# Altium PCB SVEC.pcbdoc (part 15 of 18) (continued)
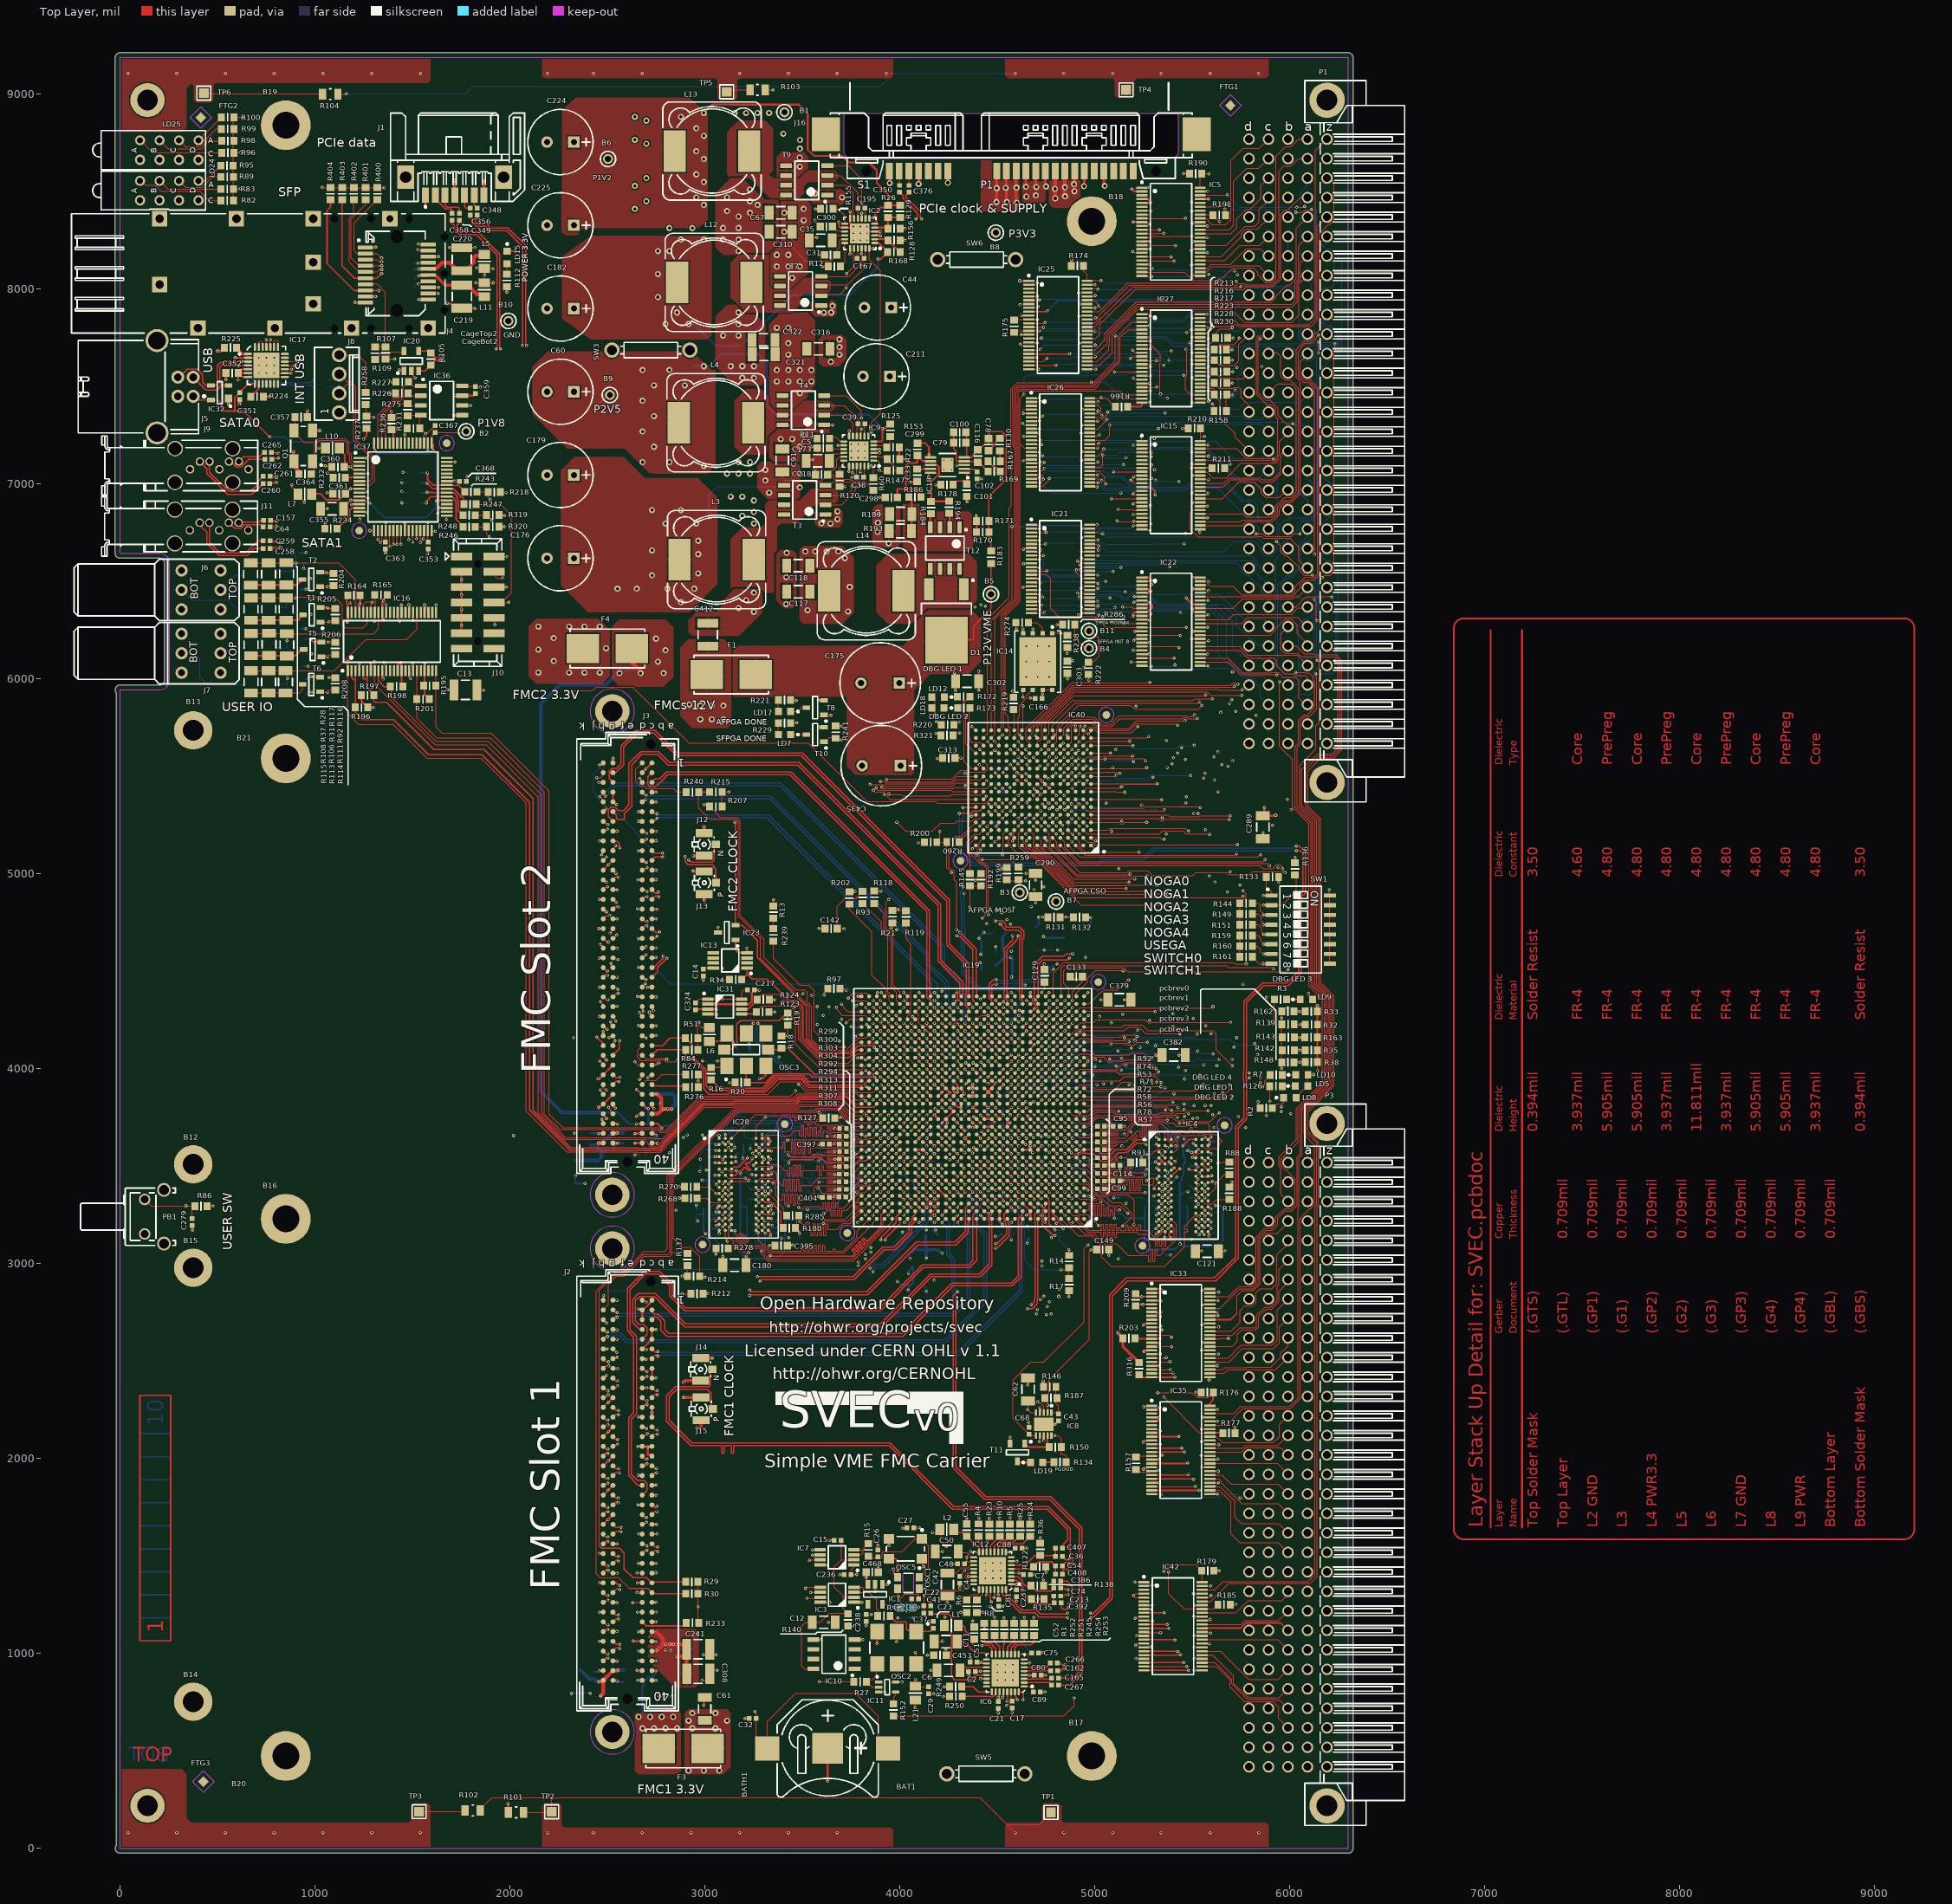
[diagram p0: Top Layer view]
## Nets (pads, with @x,y where several pads share a name; then routed paths per layer and width w, separated by ;. In a path a pad name is that pad's centre, name@x,y a point inside that pad or via, vN(x,y) a via of type N, cw(c..) or ccw(c..) an arc to the next point about the centre after c; other vN are vias at no path point) (continued)
  Bottom Layer w5: v1(5691.55,5873.51) 5691.81,5873.51 v1@5692.18,5873.13
VME_D17: IC19.AD6 IC35.12 IC40.M10 | length 7382
  Top Layer w5: v1(4605.81,5597.99) IC40.M10@4625.5,5578.3 ; IC19.AD6@4747.57,4135.15 v1(4767.25,4154.84)
  Top Layer w6: IC35.12@5290.95,2053.35 5445.4,2053.35 v1(5445.55,2053.51)
  L3 w4: v1(4605.81,5597.99) 4588.18,5615.62 4588.18,5693.25 4590.44,5695.51 4590.44,5720.53 4777.79,5907.88 5549.06,5907.88 5554.81,5902.13 5584.44,5902.13 5595.19,5912.88 5674.18,5912.88 v1@5696.55,5890.51
  L6 w4: v1(4767.25,4154.84) 4784.71,4137.38 5152.94,4137.38 5168.19,4122.13 5203.92,4122.13 5240.3,4158.51 v1(5726.55,4158.51)
  L8 w4: v1(5445.55,2053.51) 5556.55,2053.51 5615.18,1994.88 5615.18,1992.14 5625.84,1981.48 6105.89,1981.48 6127.58,2003.17 6127.58,3561.37 5858.56,3830.39 5858.56,3838.7 5845.75,3851.51 5826.69,3851.51 5727.93,3950.27 5727.93,4157.13 v1(5726.55,4158.51) 5721.18,4163.88 5721.18,4198.85 5742.55,4220.22 5742.55,4920.82 5729.18,4934.19 5729.18,4947.87 5762.93,4981.62 5762.93,5154.02 5727.93,5189.02 5727.93,5394.3 5722.55,5399.67 5722.55,5581.39 5711.43,5592.51 5704.55,5592.51 5702.18,5594.88 5702.18,5861.39 5707.55,5866.76 5707.55,5887.51 v1(5702.55,5892.51)
VME_D18: IC19.AH5 IC35.13 IC40.R9 | length 7308.8
  Top Layer w5: IC40.R9@4664.87,5696.41 4664.87,5706.82 4685.55,5727.51 4685.55,5750.93 4890.75,5956.13 5709.18,5956.13 v1(5714.55,5961.51) ; IC19.AH5@4786.94,4292.63 v1(4806.62,4312.32) 4806.55,4312.39 v1@4806.55,4313.51
  Top Layer w6: IC35.13@5290.95,2033.66 5291.67,2034.38 v1@5459.68,2034.38
  L6 w4: v1@4806.55,4313.51 4806.55,4312.39 v1(4806.62,4312.32) 4806.63,4329.95 4822,4345.32 4822,4398.95 4856.55,4433.51 v1(5760.55,4433.51)
  L8 w4: v1(5460.55,2033.51) 5514.18,1979.88 5564.06,1979.88 5572.47,1971.48 6110.03,1971.48 6137.58,1999.03 6137.58,3562.69 5866.56,3833.71 5866.56,3842.01 5849.06,3859.51 5832.83,3859.51 5760.55,3931.79 v1(5760.55,4433.51) 5760.55,4568.51 5782.93,4590.88 5782.93,5162.3 5747.93,5197.3 5747.93,5402.58 5742.55,5407.96 5742.55,5816.62 5747.93,5822 5747.93,5843.02 5727.93,5863.02 5727.93,5904.25 5727.18,5905 5727.18,5948.88 v1(5714.55,5961.51)
VME_D19: IC19.AK5 IC35.16 IC40.T9 | length 7338.1
  Top Layer w5: IC40.T9@4664.87,5735.78 4664.87,5744.39 4886.61,5966.13 5695.55,5966.13 5706.3,5976.88 v1@5729.18,5976.88 ; IC19.AK5@4786.94,4371.37 4786.94,4489.89 4840.55,4543.51 5711.91,4543.51 5719.09,4536.32 5740.74,4536.32 ; 5740.92,4536.51 v1(5776.55,4536.51)
  Top Layer w8: IC35.16@5290.95,1974.61 v1@5471.66,1974.61
  L8 w4: v1(5475.55,1978.51) 5501.41,1978.51 5510.04,1969.88 5559.92,1969.88 5568.32,1961.48 6114.18,1961.48 6147.58,1994.88 6147.58,3564 5874.56,3837.02 5874.56,3845.33 5775.18,3944.71 5775.18,3983.87 ; v1@5737.18,5968.88 5737.18,5909.14 5747.93,5898.39 5747.93,5857.16 5757.93,5847.16 5757.93,5817.85 5752.93,5812.85 5752.93,5411.72 5757.93,5406.72 5757.93,5201.44 5792.93,5166.44 5792.93,4586.74 5776.18,4569.99 5776.18,4536.88 v1(5776.55,4536.51) 5775.93,4535.88 5775.93,3984.62
  other v1: 5732.55,5973.51
VME_D20: IC19.W10 IC35.19 IC40.M9 | length 7020.7
  Top Layer w5: IC19.W10@4590.09,3938.3 v1(4609.77,3957.99) ; v1(4645.18,5597.99) IC40.M9@4664.87,5578.3
  Top Layer w8: IC35.19@5290.95,1915.55 v1@5477.6,1915.55
  L3 w4: 4629.81,5630.99 4629.81,5643.73 4634.43,5648.34 4634.43,5721.57 4632.55,5723.44 4632.55,5733.51 4773.93,5874.88 5516.06,5874.88 5543.19,5847.76 5555.92,5847.76 5566.04,5857.88 5685.69,5857.88 ; 4631.19,5629.61 4631.19,5611.99 v1(4645.18,5597.99) ; 5685.81,5857.76 5698.55,5857.76 ; 5698.67,5857.88 5748.82,5857.88 5775.22,5831.48 5808.58,5831.48 v1(5827.55,5812.51)
  L6 w4: v1(4609.77,3957.99) 4625.15,3973.36 4817.41,3973.36 4825.68,3981.63 4904.69,3981.63 4908.69,3985.63 4969.43,3985.63 4974.68,3980.38 5084.74,3980.38 5104.99,3960.13 5318.72,3960.13 ; 5319.47,3960.88 5440.87,3960.88 5450.87,3970.88 5470.24,3970.88 5483.24,3983.88 5546.92,3983.88 5555.67,3975.13 v1@5788.18,3975.13
  L5 w5: v1(5480.55,1918.51) 5480.55,1923.23 5574.3,2016.98 5574.3,2090.53 5765.24,2281.48 5813.53,2281.48 5835.58,2303.53 5835.58,3686.8 5776.18,3746.2 5776.18,3967.51 v1@5786.18,3977.51
  L8 w4: v1@5786.18,3981.88 5786.18,4266.99 5796.55,4277.36 5796.55,4546.67 5802.93,4553.05 5802.93,5170.58 5773.31,5200.21 5773.31,5598.89 5827.58,5653.17 5827.58,5783.87 ; 5827.55,5783.9 v1(5827.55,5812.51)
  other v1: 5790.55,3977.51
VME_D21: IC19.W9 IC35.20 IC40.N8 | length 6735
  Top Layer w5: IC19.W9@4629.46,3938.3 v1(4649.14,3957.99) ; IC40.N8@4704.24,5617.67 v1(4723.93,5637.36)
  Top Layer w8: IC35.20@5290.95,1895.87 5497.92,1895.87
  L3 w4: v1(4723.93,5637.36) 4723.93,5721.88 4842.55,5840.51 5536.3,5840.51 5539.04,5837.76 5619.06,5837.76 5624.68,5843.38 5711.68,5843.38 v1(5722.55,5832.51)
  L6 w4: v1(4649.14,3957.99) 4666.77,3957.99 4682.15,3942.61 4931.1,3942.61 4939.62,3951.13 5322.45,3951.13 ; 5323.2,3951.88 5444.6,3951.88 5454.6,3961.88 5466.51,3961.88 5475.53,3952.85 5789.9,3952.85 v1(5790.55,3953.51)
  L5 w5: v1(5505.55,1893.51) 5505.55,1935.51 5585.18,2015.13 5585.18,2087.27 5769.38,2271.48 5817.67,2271.48 5844.58,2298.39 5844.58,3691.94 5787.55,3748.97 v1@5787.55,3949.51 ; v1(5722.55,5832.51) 5723.53,5833.48 5723.53,5651.8 5786.18,5589.15 5786.18,4883.61 5791.55,4878.23 5791.55,4034.76 5808.55,4017.76 5808.55,3971.51 v1(5790.55,3953.51)
  L8 w4: v1@5790.55,3952.51 v1(5790.55,3953.51)
VME_D22: IC19.AB7 IC35.22 IC40.P8 | length 6935.3
  Top Layer w5: IC40.P8@4704.24,5657.04 4704.24,5671.89 4726.27,5693.91 4726.27,5705.08 4730.55,5709.36 4730.55,5717.65 4726.27,5721.93 4726.27,5763.36 4895.79,5932.88 5575.92,5932.88 5593.3,5915.51 5746.55,5915.51 5749.55,5912.51 v1(5752.55,5915.51) ; IC19.AB7@4708.2,4056.41 4709.46,4056.41 v1@4728.55,4075.51 ; IC35.22@5290.95,1856.5 v1@5513.54,1856.5
  L5 w5: v1(5515.55,1858.51) 5595.18,1938.13 5595.18,2083.13 5772.92,2260.87 5821.2,2260.87 5853.58,2293.25 5853.58,3697.08 5804.31,3746.35 5804.31,3936.72 5819.18,3951.59 5819.18,3996.64 5819.69,3997.15 5819.69,4065.63 5819.18,4066.14 v1@5819.18,4127.51 ; v1(5752.55,5915.51) 5743.53,5906.48 5743.53,5649.03 5812.55,5580 5812.55,4808.51 5818.69,4802.37 5818.69,4355.48 5819.18,4354.99 5819.18,4127.88 v1(5819.55,4127.51)
  Bottom Layer w5: v1@4728.55,4075.51 4744.92,4075.51 4760.89,4091.47 4766.52,4091.47 4791.18,4116.13 4791.18,4123.87 4800.19,4132.88 4906.26,4132.88 4925.89,4152.51 5085.61,4152.51 5097.27,4140.84 5156.15,4140.84 5168.19,4152.88 5180.92,4152.88 5190.18,4143.62 5190.18,4139.14 5199.19,4130.13 5211.92,4130.13 5232.67,4150.88 5693.78,4150.88 5722.15,4122.51 5814.55,4122.51 v1(5819.55,4127.51)
  other v1: 4727.88,4076.1
VME_D23: IC19.AB6 IC35.23 IC40.T8 | length 6972.4
  Top Layer w5: IC40.T8@4704.24,5735.78 4704.24,5755.48 4894.27,5945.51 5630.55,5945.51 5633.93,5942.13 v1@5753.18,5942.13 ; IC19.AB6@4747.57,4056.41 v1(4767.25,4076.1)
  Top Layer w8: IC35.23@5290.95,1836.81 v1@5533.86,1836.81
  L3 w4: v1(4767.25,4076.1) 4782.54,4091.38 4989.71,4091.38 4999.96,4101.63 5091.61,4101.63 5096.49,4106.51 5152.08,4106.51 5174.96,4083.63 5518.71,4083.63 v1(5526.55,4091.47)
  L6 w4: v1(5526.55,4091.47) 5815.59,4091.47 v1(5834.55,4072.51)
  L5 w5: v1(5535.55,1838.51) 5604.18,1907.13 5604.18,2019.39 5750.32,2165.53 5892.58,2165.53 5927.58,2200.53 5927.58,3637.22 5813.31,3751.49 5813.31,3932.99 5834.93,3954.61 5834.93,4525.25 5836.93,4527.25 ; v1(5754.55,5943.51) 5767.93,5930.13 5767.93,5898.24 5753.53,5883.84 5753.53,5653.17 5822.55,5584.14 5822.55,4826.51 ; 5823.55,4826.51 5836.18,4813.88 5836.18,4528
VME_D24: IC19.W7 IC40.A4 IC42.9 | length 6615.6
  Top Layer w5: IC19.W7@4708.2,3938.3 v1(4727.88,3957.99) ; IC40.A4@4861.72,5145.23 4921.82,5085.13 5835.4,5085.13 v1@5849.66,5099.4
  Top Layer w6: IC42.9@5250.95,1208.4 v1@5355.45,1208.4
  L3 w4: v1(4727.88,3957.99) 4747.4,3977.51 4854.53,3977.51 4858.68,3973.36 4889.61,3973.36 4892.85,3970.12 4906.61,3970.12 4909.86,3973.36 4939.7,3973.36 4960.93,3952.13 4998.4,3952.13 5005.14,3958.88 5094.43,3958.88 5099.8,3953.51 5239.77,3953.51 5249.14,3962.88 5445.18,3962.88 v1(5460.55,3947.51)
  L6 w4: v1(5460.55,3947.51) 5464.21,3943.85 5774.15,3943.85 5779.87,3938.13 5833.18,3938.13 v1(5849.55,3954.51)
  L5 w5: v1(5355.55,1208.51) 5355.55,1338.51 5645.55,1628.51 5645.55,1778.51 5613.18,1810.88 5613.18,2011.16 5757.56,2155.53 5896.72,2155.53 5937.58,2196.39 5937.58,3641.36 5822.31,3756.63 5822.31,3929.27 5852.18,3959.13 5852.18,4526.14 5846.18,4532.14 v1@5846.18,5092.13
  other v1: 5851.55,5097.51
VME_D25: IC19.W6 IC40.B5 IC42.12 | length 6897.3
  Top Layer w5: IC19.W6@4747.57,3938.3 v1(4767.25,3957.99) ; IC40.B5@4822.35,5184.6 4844.38,5162.57 4844.38,5138.05 4920.54,5061.88 5861.93,5061.88 v1(5872.55,5072.51)
  Top Layer w6: IC42.12@5250.95,1149.35 v1@5369.71,1149.35
  L3 w4: v1(4767.25,3957.99) 4784.88,3957.99 4804.37,3938.51 4890.71,3938.51 4901.08,3928.13 4999.85,3928.13 5010.6,3938.88 5091.8,3938.88 5102.55,3928.13 5167.44,3928.13 ; 5169.19,3929.88 5181.92,3929.88 ; 5183.67,3928.13 5239.85,3928.13 5249.6,3937.88 5264.85,3937.88 5280.6,3922.13 5306.18,3922.13 v1(5314.55,3930.51)
  L6 w4: v1(5314.55,3930.51) 5326.93,3942.88 5346.51,3942.88 5355.76,3933.63 5466.3,3933.63 5467.52,3934.85 5771.83,3934.85 5777.55,3929.13 5848.18,3929.13 v1(5848.55,3929.51)
  L5 w5: 5370.55,1201.76 v1(5370.55,1148.51) 5370.93,1148.88 5370.93,1338.88 5655.55,1623.51 5655.55,1968.51 5762.58,2075.53 6008.58,2075.53 6034.69,2101.64 6034.69,3578.64 5844.18,3769.15 5844.18,3816.8 5851.06,3823.69 5851.06,3835.59 5844.18,3842.48 5844.18,3925.13 v1(5848.55,3929.51) 5848.55,3934.51 5854.18,3940.13 5855.51,3940.13 5869.55,3954.18 5869.55,4355.76 5865.18,4360.14 5865.18,4372.87 5880.93,4388.62 5880.93,4557.51 5882.93,4559.51 5882.93,4902.13 5872.55,4912.51 v1(5872.55,5072.51)
VME_D26: IC19.AJ4 IC40.A5 IC42.13 | length 6732.5
  Top Layer w5: IC40.A5@4822.35,5145.23 4915.7,5051.88 5885.18,5051.88 v1(5894.55,5042.51) ; IC19.AJ4@4826.31,4332 v1(4846,4351.69) 4846.18,4351.51 v1@4847.55,4351.51
  Top Layer w6: IC42.13@5250.95,1129.66 5379.4,1129.66 v1(5380.55,1128.51)
  L6 w4: v1@4847.55,4351.51 4863.43,4367.38 5879.42,4367.38 v1@5880.42,4366.37
  L5 w5: v1(5380.55,1128.51) 5385.93,1133.88 5385.93,1154.87 5380.55,1160.25 5380.55,1197.62 5380.93,1198 5380.93,1219.02 5380.55,1219.39 5380.55,1334.36 5665.55,1619.36 5665.55,1964.36 5766.72,2065.53 6012.58,2065.53 6047.58,2100.53 6047.58,3618.38 5880.55,3785.41 5880.55,3927.76 5884.93,3932.14 5884.93,4224.8 5884.18,4225.55 5884.18,4237.46 5884.93,4238.21 5884.93,4362.13 v1(5880.55,4366.51) 5892.93,4378.88 5892.93,5040.88 v1(5894.55,5042.51)
VME_D27: IC19.AK4 IC40.D5 IC42.16 | length 7282.1
  Top Layer w5: IC40.D5@4822.35,5263.34 4822.35,5258.71 v1(4833.55,5247.51) ; IC19.AK4@4826.31,4371.37 4826.31,4513.75 4840.76,4528.2 5676.55,4528.2 5684.58,4520.18 5907.88,4520.18 v1(5914.55,4513.51)
  Top Layer w6: IC42.16@5250.95,1070.61 v1@5408.45,1070.61
  L3 w4: v1(4833.55,5247.51) 4902.89,5247.51 4914.41,5259.03 5128.29,5259.03 5132.19,5255.13 5252.19,5255.13 5259.19,5248.13 5874.55,5248.13 5874.93,5248.51 v1(5911.55,5248.51)
  L5 w5: v1(5410.55,1068.51) 5410.55,1333.51 5685.55,1608.51 5685.55,1908.51 5755.55,1978.51 6105.55,1978.51 6130.55,2003.51 6130.55,3548.13 5960.55,3718.13 5960.55,3733.78 5915.93,3778.41 5915.93,5244.13 v1(5911.55,5248.51)
VME_D28: IC19.T9 IC40.C5 IC42.19 | length 7406.5
  Top Layer w5: IC19.T9@4629.46,3820.19 4634.24,3820.19 4642.55,3828.51 v1@4642.55,3833.51 ; IC40.C5@4822.35,5223.97 v1@4837.55,5208.77
  Top Layer w6: IC42.19@5250.95,1011.55 v1@5422.51,1011.55
  L3 w4: v1(4835.55,5206.51) 4835.55,5137.51 4931.18,5041.88 5873.44,5041.88 5888.19,5027.13 5934.18,5027.13 ; 4895.88,3796.51 4907.25,3807.88 4937.55,3807.88 4947.18,3817.51 5136.58,3817.51 5147.21,3806.88 5365.92,3806.88 5370.92,3801.88 5399.92,3801.88 5408.93,3792.87 ; 5408.93,3791.51 5415.55,3784.88 5438.19,3784.88 5447.93,3775.13 5473.93,3775.13
  L3 w5: v1@4642.55,3833.51 4680.55,3795.51 4894.88,3795.51 4895.88,3796.51
  L6 w4: v1@5480.18,3770.13 5589.18,3770.13 5606.43,3787.38 5947.68,3787.38 v1(5955.55,3779.51)
  L5 w5: v1(5425.55,1008.51) 5425.55,1328.51 5695.55,1598.51 5695.55,1903.51 5760.55,1968.51 6109.7,1968.51 6140.55,1999.36 6140.55,3550.86 5969.55,3721.86 5969.55,3738.92 5955.76,3752.71 v1@5955.76,3779.51 ; v1(5940.55,5033.51) 5927.18,5020.13 5927.18,4948.55 5932.68,4943.05 5932.68,3802.38 v1(5955.55,3779.51)
  other v1: 5479.55,3769.51 4645.42,3830.64
VME_D29: IC19.T8 IC40.B6 IC42.20 | length 7421.9
  Top Layer w5: IC19.T8@4668.83,3820.19 4681.55,3832.92 v1@4681.55,3833.51 ; IC40.B6@4782.98,5184.6 4805.01,5162.57 4805.01,5138.05 4901.17,5041.88 5847.06,5041.88 5861.81,5027.13 5912.44,5027.13 5934.19,5048.88 5946.92,5048.88 v1@5961.55,5034.25
  Top Layer w6: IC42.20@5250.95,991.87 v1@5438.92,991.87
  L3 w4: 4697.05,3818.01 4708.39,3806.67 4891.9,3806.67 4904.11,3818.88 4935.83,3818.88 4943.83,3826.88 5141.35,3826.88 5152.35,3815.88 5373.98,3815.88 5377.36,3812.51 5402.88,3812.51 5406.26,3815.88 5436.55,3815.88 ; 5438.18,3817.51 v1(5457.55,3817.51)
  L3 w5: v1@4681.55,3833.51 4697.05,3818.01
  L6 w4: v1@5457.55,3816.51 5476.43,3797.63 5571.3,3797.63 5572.55,3798.88 5585.51,3798.88 5588.26,3796.13 5603.45,3796.13 5621.83,3814.51 5820.89,3814.51 5827.63,3807.77 5845.75,3807.77 5852.49,3814.51 5946.55,3814.51 v1(5956.55,3804.51)
  L5 w5: 5957.93,4985.51 5957.93,4517.02 5942.68,4501.77 5942.68,3818.38 v1(5956.55,3804.51) 5969.93,3791.13 5969.93,3773.55 5968.55,3772.18 5968.55,3754.77 5978.55,3744.77 5978.55,3725.59 6151.05,3553.09 6151.05,3489.51 ; 5958.55,4986.13 5958.55,5018.51
  L5 w6: 5440.55,1015.96 5440.55,1323.51 5709.68,1592.63 5709.68,1902.63 5765.05,1958.01 6114.05,1958.01 6151.05,1995.01 6151.05,3489.51 ; v1@5441.43,994.38 5441.43,1015.08
  other v1: 5440.55,993.51 4685.69,3831.64 5961.55,5026.51
VME_D30: IC19.AH3 IC40.A6 IC42.22 | length 7434.7
  Top Layer w5: IC40.A6@4782.98,5145.23 4922.08,5006.13 5166.44,5006.13 5174.42,5014.11 5271.17,5014.11 5294.15,4991.13 5501.92,4991.13 5517.67,5006.88 5676.44,5006.88 5687.19,4996.13 5794.44,4996.13 5809,5010.69 5969.37,5010.69 v1(5974.55,5005.51) ; IC19.AH3@4865.68,4292.63 v1(4885.37,4312.32)
  Top Layer w6: IC42.22@5250.95,952.5 5454.55,952.5 v1(5455.55,953.51)
  L6 w4: v1(4885.37,4312.32) 4905.93,4332.88 5958.18,4332.88 5977.55,4313.51 v1(5988.55,4313.51)
  L5 w5: v1(5455.55,953.51) 5460.55,958.51 5460.55,1318.51 5720.55,1578.51 5720.55,1787.62 5720.18,1788 5720.18,1828.78 5769.9,1878.51 6202.92,1878.51 6236.55,1912.14 6236.55,3557.51 6205.42,3588.64 6128.23,3588.64 5987.55,3729.32 5987.55,3750.62 5980.18,3758 5980.18,3792.39 5983.93,3796.14 5983.93,4307.13 5980.18,4310.88 ; v1(5974.55,5005.51) 5974.55,4981.51 5976.55,4979.51 ; 5976.18,4979.51 5976.18,4823.51 5975.18,4822.51 5975.18,4315.88 5977.55,4313.51 ; v1(5988.55,4313.51) 5980.18,4313.51 ; 5977.55,4313.51 5980.18,4310.88 ; 5977.55,4313.51 5980.18,4313.51 ; 5980.18,4310.88 5980.18,4313.51
VME_D31: IC19.AK3 IC40.F7 IC42.23 | length 8015.8
  Top Layer w5: v1(4730.55,5357.71) 4743.61,5344.66 IC40.F7@4743.61,5342.08 ; IC19.AK3@4865.68,4371.37 4865.68,4412.38 4840.55,4437.51 4840.55,4501.51 4856.93,4517.88 5151.92,4517.88 5171.67,4498.13 5980.18,4498.13 v1(5990.55,4508.51) ; IC42.23@5250.95,932.81 5469.86,932.81 v1(5470.55,933.51)
  L6 w4: v1(4730.55,5357.71) 4755.55,5382.71 4843.23,5382.71 4855.4,5394.88 5447.44,5394.88 5462.19,5380.13 5984.18,5380.13 v1(5985.55,5381.51)
  L5 w5: v1(5470.55,933.51) 5470.93,933.88 5470.93,959.87 5470.55,960.25 5470.55,1313.51 5730.18,1573.13 5730.18,1824.64 5774.05,1868.51 6207.06,1868.51 6245.55,1907 6245.55,3562.65 6210.56,3597.64 6131.96,3597.64 5996.55,3733.05 5996.55,3755.76 5990.18,3762.14 5990.18,3788.25 6002.93,3801 6002.93,4496.13 v1(5990.55,4508.51) 5990.55,5013.64 5984.69,5019.51 5984.69,5380.64 v1(5985.55,5381.51)
VME_D_DIR: IC5.24 IC19.P2 IC25.24 IC35.24 IC40.F4 IC42.24 | length 12774
  Top Layer w5: IC25.24@4660.95,7588.13 4661.33,7588.51 v1(4710.55,7588.51) ; IC19.P2@4905.05,3741.45 4927.08,3719.42 4965.61,3719.42 5005.7,3759.51 5090.44,3759.51 5096.81,3753.13 5100.9,3753.13 5105.9,3748.13 5334.64,3748.13 5339.38,3752.88 5369.15,3752.88 ; IC5.24@5240.95,8067.13 5244.57,8063.51 v1(5290.55,8063.51) ; IC35.24@5290.95,1817.13 v1@5339.17,1817.13 ; 5370.9,3751.13 5398.19,3751.13 5415.19,3734.13 5441.55,3734.13 5444.3,3736.88 5488.44,3736.88 5496.19,3729.13 5590.92,3729.13 5635.3,3773.51 v1(5637.55,3773.51) ; v1(6005.18,3768.88) v1@6005.55,3768.51
  Top Layer w8: v1@4848.15,5328.51 IC40.F4@4861.72,5342.08 ; IC42.24@5250.95,913.13 v1(5480.18,913.13)
  L3 w4: v1(4845.55,5328.51) 4863.81,5328.51 4873.19,5337.88 4885.92,5337.88 ; 4886.93,5337.88 4948.15,5337.88 4949.89,5336.13 5291.18,5336.13 5298.2,5343.16 5520.46,5343.16 5533.19,5355.88 5977.18,5355.88 v1(6005.55,5327.51) ; 5748.55,7605.53 v1@5849.47,7605.53
  L3 w5: v1(5729.55,7597.51) 5737.58,7605.53 5748.55,7605.53
  L6 w5: v1(5637.55,3773.51) 5639.05,3775.01 5885.38,3775.01 5895.26,3765.13 6001.43,3765.13 v1(6005.18,3768.88)
  L5 w5: 5485.93,918.88 5485.93,1313.88 5745.55,1573.51 v1(5745.55,1798.51) 5745.55,1825.87 5775.22,1855.53 6217.58,1855.53 6254.55,1892.51 6254.55,3567.79 6215.7,3606.64 6135.69,3606.64 6005.55,3736.77 v1@6005.55,3768.51 ; v1(5729.55,7597.51) 5722.69,7604.37 5722.69,7741.31 5722.93,7741.55 5722.93,7753.46 5722.69,7753.7 5722.69,8016.9 5738.93,8033.14 5738.93,8045.87 5730.55,8054.25 v1(5730.55,8073.51) ; v1@5853.53,7600.51 5841.93,7588.91 5841.93,5806.55 5841.69,5806.31 5841.69,5626.64 6005.69,5462.64 6005.69,5026.88 6011.93,5020.64 6011.93,3775.03 v1@6006.93,3770.03
  Bottom Layer w5: v1(4710.55,7588.51) 4723.18,7575.88 4969.19,7575.88 4997.19,7603.88 5201.06,7603.88 5224.06,7580.88 5691.19,7580.88 5700.19,7589.88 5721.93,7589.88 v1(5729.55,7597.51) ; v1(5290.55,8063.51) 5488.81,8063.51 5494.52,8057.8 5629.11,8057.8 5632.19,8060.88 5717.93,8060.88 v1(5730.55,8073.51) ; v1(5340.55,1818.51) 5356.93,1802.13 5634.92,1802.13 5651.3,1818.51 5725.55,1818.51 v1(5745.55,1798.51)
  other v1: 5854.5,7600.51
VME_D_OE_N: IC5.14 IC19.P1 IC25.14 IC35.14 IC40.K6 IC42.14 R157.2 R175.1 | length 10746.9
  Top Layer w5: R175.1@4585.55,7777.01 4593.52,7784.98 IC25.14@4660.95,7784.98 4713.03,7784.98 v1(4714.69,7786.64) ; IC40.K6@4782.98,5499.56 v1@4797.92,5514.51 ; IC19.P1@4944.42,3741.45 4970.5,3741.45 5006.55,3777.51 5090.67,3777.51 5111.04,3757.13 5330.91,3757.13 5336.66,3762.88 5373.3,3762.88 ; R157.2@5210.55,2007 5217.53,2013.98 IC35.14@5290.95,2013.98 v1@5344.03,2013.98 ; IC5.14@5240.95,8263.98 5289.03,8263.98 5295.18,8270.13 v1@5495.18,8270.13 ; IC42.14@5250.95,1109.98 5253.42,1107.51 v1(5336.55,1107.51) ; 5375.04,3761.13 5410.85,3761.13 5420.34,3770.62 5460.41,3770.62 5465.18,3775.39 5465.18,3775.46 5473.6,3783.88 5579.18,3783.88 v1@5579.55,3783.51
  L6 w4: v1(4799.55,5514.51) 4814.93,5499.13 4963.55,5499.13 4982.55,5480.13 5546.18,5480.13 v1(5557.55,5491.51)
  L8 w4: v1(5336.55,1107.51) 5336.55,1800.76 5325.18,1812.14 5325.18,1824.87 5347.55,1847.25 v1(5347.55,2017.51) 5349.93,2019.88 5349.93,2101.51 5350.93,2102.51 5350.93,2147.87 5349.93,2148.87 5349.93,2295.39 5337.18,2308.14 5337.18,2320.87 5342.55,2326.25 5342.55,2368.36 5299.18,2411.74 5299.18,2551.16 5321.15,2573.13 5336.92,2573.13 5345.93,2582.14 5345.93,2599.14 5358.18,2611.39 5358.18,2637.16 5360.27,2639.25 5360.27,2878.22 5397.55,2915.51 5685.55,2915.51 5743.53,2973.48 5743.53,3634.39 5639.41,3738.51 5594.67,3738.51 5579.18,3754 5579.18,3775.39 5579.55,3775.76 ; v1(5470.69,7777.64) 5477.69,7770.64 5541.05,7770.64 ; v1(5498.55,8273.51) 5513.55,8273.51 5542.55,8244.51 5542.55,7776.64 5542.55,7663.39 5556.18,7649.76 5556.18,7415 5587.93,7383.25 5587.93,7234 5556.18,7202.25 5556.18,6789.25 5573.93,6771.51 5573.93,6538.91 5560.93,6525.91 5560.93,6178.43 5551.55,6169.05 5551.55,5913.76 5563.93,5901.39 5563.93,5870.87 ; v1(5557.55,5491.51) 5549.18,5499.88 5549.18,5521.14 5555.18,5527.14 5555.18,5775.07 5561.93,5781.81 5561.93,5853.76 5564.93,5856.76 5564.93,5869.87 ; v1@5561.68,5495.64 5574.93,5482.39 5574.93,5266.02 5552.18,5243.27 5552.18,4967.88 5563.19,4956.87 5563.19,4234.88 5554.18,4225.87 5554.18,4213.14 5560.18,4207.14 5560.18,4056.71 5575.93,4040.96 5575.93,3965.62 5524.18,3913.87 5524.18,3895.88 5548.18,3871.88 5548.18,3807.14 v1@5575.18,3780.13
  Bottom Layer w5: v1(4714.69,7786.64) 4978.09,7786.64 4994.6,7770.13 5006.51,7770.13 5014.02,7777.64 v1(5470.69,7777.64)
  other v1: 5579.55,3784.51
VME_DS1_N: IC19.Y6 IC22.3 IC40.P9 | length 4061.8
  Top Layer w5: IC40.P9@4664.87,5657.04 4664.87,5671.89 4647.53,5689.23 4647.53,5745.48 4883.55,5981.51 4961.23,5981.51 4963.6,5979.13 5280.18,5979.13 v1(5282.55,5981.51) ; IC19.Y6@4747.57,3977.67 v1(4767.25,3997.36) ; IC22.3@5240.95,6480.51 v1@5288.55,6480.51
  L8 w4: 5290.55,6475.25 5267.18,6451.87 5267.18,6386.14 5269.55,6383.76 5269.55,6328.76 5280.44,6317.88 5285.45,6317.88 5294.69,6308.64 5294.69,6221.38 5262.58,6189.28 5262.58,6067.74 5282.55,6047.76 v1(5282.55,5981.51) 5291.55,5972.51 5291.55,5684.65 5300.93,5675.27 5300.93,5520.62 5270.55,5490.25 5270.55,5391.51 5302.55,5359.51 5302.55,4963.39 5291.18,4952.02 5291.18,4928.91 5293.93,4926.16 5293.93,4896.85 5284.18,4887.11 5284.18,4280.76 5327.43,4237.52 5327.43,4063.76 5316.3,4052.63 5311.42,4052.63 5295.18,4036.39 v1@5295.18,4003.51
  Bottom Layer w5: v1(4767.25,3997.36) 4768.11,3996.51 4783.33,4011.73 4851.95,4011.73 4860.37,4003.31 4860.37,4002.43 4870.99,3991.81 4870.99,3991.4 4879.41,3982.98 4891.32,3982.98 4892.47,3984.13 4973.12,3984.13 4978.87,3989.88 4998.26,3989.88 5005.85,3997.48 5109.25,3997.48 5128.6,3978.13 5223.92,3978.13 5243.67,3997.88 5286.93,3997.88
  other v1: 5292.55,4003.51 5290.55,6483.51
VME_DS2_N: IC19.Y7 IC22.6 IC40.N9 | length 3846.7
  Top Layer w5: v1(4645.18,5637.36) IC40.N9@4664.87,5617.67 ; IC19.Y7@4708.2,3977.67 v1(4727.88,3997.36) ; v1(5202.55,6421.51) v1(5202.55,6421.51) IC22.6@5240.95,6421.46
  L3 w4: v1(4645.18,5637.36) 4645.18,5718.14 4788.55,5861.51 5209.55,5861.51 v1(5211.55,5859.51)
  L8 w4: v1(4727.88,3997.36) 4746.74,3978.51 4975.55,3978.51 4999.55,4002.51 ; v1(5202.55,6421.51) 5225.18,6398.88 5225.18,6222.58 5215.18,6212.58 5215.18,6157.04 5212.58,6154.44 5212.58,5860.53 v1(5211.55,5859.51) v1@5211.18,5859.13 ; v1@5211.18,5859.51 v1@5211.18,5859.13 ; v1(5222.55,3998.51) 5229.18,4005.13 5229.18,4075.16 5251.93,4097.91 5251.93,4202.02 5225.93,4228.02 5225.93,4915.71 5228.93,4918.71 5228.93,5068.88 5248.55,5088.51 5248.55,5128.13 5212.18,5164.51 5212.18,5361.02 5220.55,5369.39 5220.55,5590.53 5238.93,5608.91 5238.93,5673.9 5204.18,5708.65 5204.18,5852.13 v1@5211.18,5859.13
  Bottom Layer w5: v1@5003.55,4007.51 5085.57,4007.51 5094.18,4016.11 5094.18,4019.46 5102.6,4027.88 5114.51,4027.88 5124.88,4017.51 5139.23,4017.51 5154.6,4002.13 5218.93,4002.13 v1(5222.55,3998.51)
  other v1: 4999.55,4011.51
VME_DTACK_N: IC19.R5 IC26.2 IC40.C2 R158.2 | length 6209.5
  Top Layer w4: v1(5602.55,7410.51) 5611.06,7402 R158.2@5611.06,7374.51
  Top Layer w5: IC26.2@4673.95,7420.2 4674.25,7420.51 v1(4722.55,7420.51) ; IC19.R5@4786.94,3780.82 v1(4806.62,3761.14) ; IC40.C2@4940.46,5223.97 4961.3,5203.13 5331.44,5203.13 5347.19,5218.88 5358.41,5218.88 ; 5359.19,5219.66 5452.4,5219.66 5467.55,5204.51 ; 5467.55,5203.51 5574.55,5203.51 ; 5575.55,5202.51 v1(5588.55,5202.51)
  L6 w4: v1(4806.62,3761.14) 4857,3811.51 5351.55,3811.51 5384.93,3844.88 5561.18,3844.88 v1(5595.55,3810.51)
  L8 w4: v1@5591.18,3806.88 v1@5591.18,3807.62 ; v1(5595.55,3810.51) 5591.55,3806.51 5591.55,3807.25 v1@5591.18,3807.62 ; v1(5602.55,7410.51) 5607.93,7405.13 5607.93,5958.07 5586.18,5936.33 5586.18,5843.51 5582.18,5839.51 5582.18,5773.78 5575.18,5766.78 5575.18,5541.01 5594.93,5521.27 5594.93,5196.13 5601.93,5189.13 5601.93,4979.76 5583.19,4961.02 5583.19,4310.2 5584.93,4308.46 5584.93,4270.02 5584.55,4269.65 5584.55,4226.25 5584.93,4225.87 5584.93,4213.14 5570.18,4198.39 5570.18,4060.85 5585.93,4045.11 5585.93,3922.19 5558.18,3894.44 5558.18,3840.62 v1@5591.18,3807.62
  Bottom Layer w5: v1(4722.55,7420.51) 4737.93,7435.88 4977.44,7435.88 5008.19,7405.13 5247.44,7405.13 5250.44,7402.13 5594.18,7402.13 v1(5602.55,7410.51)
VME_DTACK_OE: IC19.T1 IC26.48 IC40.C3 R166.2 | length 5256.4
  Top Layer w5: IC40.C3@4901.09,5223.97 v1(4920.78,5204.28) ; IC19.T1@4944.42,3820.19 4956.11,3808.51 4975.41,3808.51 4980.79,3813.88 5414.18,3813.88 v1(5427.55,3800.51) ; IC26.48@4973.16,7439.88 5060.95,7439.88 R166.2@5105.19,7395.64
  L3 w4: v1(4920.78,5204.28) 4921.93,5203.13 5364.4,5203.13 v1@5365.55,5204.28
  L5 w5: v1(5370.55,7438.51) 5384.93,7424.13 5384.93,6986.64 5398.93,6972.64 5398.93,6275.54 5360.69,6237.3 5360.69,5866.19 5409.18,5817.7 5409.18,5614.14 5421.93,5601.39 5421.93,5539.57 5391.93,5509.57 5391.93,5299.57 5370.93,5278.57 5370.93,5231.88 5370.55,5231.51 5370.55,5159.65 5361.93,5151.02 5361.93,4907.16 5350.55,4895.78 5350.55,4338.07 5365.18,4323.44 5365.18,4166.11 5376.93,4154.36 5376.93,4122.84 5393.93,4105.84 5393.93,3885.85 5384.18,3876.11 5384.18,3823.14 5406.81,3800.51 v1(5427.55,3800.51)
  Bottom Layer w5: v1@5030.55,7438.51 5035.93,7443.88 5112.44,7443.88 5118.19,7438.13 5130.92,7438.13 5153.92,7461.13 5289.92,7461.13 5290.67,7461.88 5313.06,7461.88 5331.06,7443.88 5365.18,7443.88 v1(5370.55,7438.51)
  other v1: 5367.55,5204.28 5030.55,7443.51
VME_GA0: IC19.V7 IC27.12 IC40.A8 | length 4924.7
  Top Layer w5: IC40.A8@4704.24,5145.23 4723.76,5125.71 ; IC19.V7@4708.2,3898.93 v1(4727.88,3918.62) ; 4723.93,5125.54 4757.77,5091.7 ; 4758.95,5091.7 4798.49,5052.16 ; 4798.49,5050.98 4893.96,4955.51 v1@5175.55,4955.51 ; v1(5182.55,7643.51) 5182.55,7643.11 5192.21,7652.76 5192.95,7653.51 5240.79,7653.51 IC27.12@5240.95,7653.35
  L3 w4: v1(4727.88,3918.62) 4743.26,3903.24 4859.29,3903.24 4869.67,3913.62 4995.82,3913.62 5004.81,3904.63 5165.68,3904.63 v1(5175.55,3914.51)
  L8 w4: v1(5175.55,3914.51) 5176.55,3913.51 5177.55,3914.51 5177.55,4093.76 5159.18,4112.14 5159.18,4143.87 5173.37,4158.07 5173.37,4414.77 5186.43,4427.82 5186.43,4946.63 v1(5175.55,4957.51) 5165.18,4967.88 5165.18,5394.25 5178.93,5408 5178.93,5535.04 5155.18,5558.79 5155.18,5652.05 5122.18,5685.05 5122.18,6316.87 5147.44,6342.13 5153.06,6342.13 5170.93,6360 5170.93,6451.87 5167.93,6454.87 5167.93,7032.13 5175.93,7040.13 5175.93,7636.88 v1(5182.55,7643.51)
VME_GA1: IC19.AH1 IC27.13 IC40.C9 | length 4692.3
  Top Layer w5: v1(4645.18,5204.28) IC40.C9@4664.87,5223.97 4686.9,5201.94 4686.9,5138.05 4695.05,5129.89 4696.47,5129.89 4697.47,5128.89 4707.62,5128.89 4896.37,4940.13 5164.44,4940.13 5166.19,4941.88 5195.93,4941.88 5196.55,4942.51 5315.55,4942.51 v1(5316.55,4941.51) ; IC19.AH1@4944.42,4292.63 4948.11,4296.32 5309.11,4296.32 v1@5309.55,4295.88 ; IC27.13@5240.95,7633.66 5241.11,7633.51 v1(5316.55,7633.51)
  L8 w4: v1(5309.55,4292.51) 5309.55,4327.38 5317.68,4335.51 v1@5317.68,4941.51 ; v1(5316.55,4941.51) 5322.55,4947.51 5322.55,5436.76 5304.18,5455.14 5304.18,5467.87 5330.93,5494.62 5330.93,7229.87 5267.18,7293.62 5267.18,7481.87 5277.19,7491.88 5277.67,7491.88 5317.93,7532.14 5317.93,7632.13 v1(5316.55,7633.51)
VME_GA2: IC19.AJ1 IC27.16 IC40.A9 | length 4221
  Top Layer w5: IC40.A9@4664.87,5145.23 4664.87,5144.64 4688.62,5120.89 4692.74,5120.89 4693.74,5119.89 4702.47,5119.89 4895.86,4926.51 v1@5160.55,4926.51 ; IC19.AJ1@4944.42,4332 4970.05,4332 5032.46,4394.41 5038.73,4394.41 5047.82,4403.51 5116.55,4403.51 5170.55,4457.51 v1(5172.55,4455.51) ; v1(5099.55,7575.51) 5100.45,7574.61 IC27.16@5240.95,7574.61 IC27.16@5239.85,7573.51
  L8 w4: v1(5099.55,7575.51) 5099.55,7112.51 5148.93,7063.13 5148.93,6474.76 5140.18,6466.02 5140.18,6425 5157.93,6407.25 5157.93,6361.14 5148.92,6352.13 5143.3,6352.13 5112.18,6321.02 5112.18,5680.91 5142.55,5650.53 5142.55,5557.27 5168.93,5530.9 5168.93,5412.14 5155.18,5398.39 5155.18,4929.88 v1(5160.55,4924.51) 5166.18,4918.88 5166.18,4461.88 v1(5172.55,4455.51)